# Altium PCB Graviton-RB1.PcbDoc (part 3 of 11)
Units mil, origin at the board's own origin, x right, y up, seen from the top; angles counter-clockwise.
Board outline 7874.02 x 7874.02 mil, 10 copper layers (Top Layer, Internal Plane 1, Signal Layer 1, Internal Plane 2, Signal Layer 2, Signal Layer 3, Internal Plane 3, Signal Layer 4, Internal Plane 4, Bottom Layer), stack 65.914 mil thick; 1299 components, 1517 nets, 7968 pads, 1791 vias.
Unrouted connection lines stored in the file: 4618.
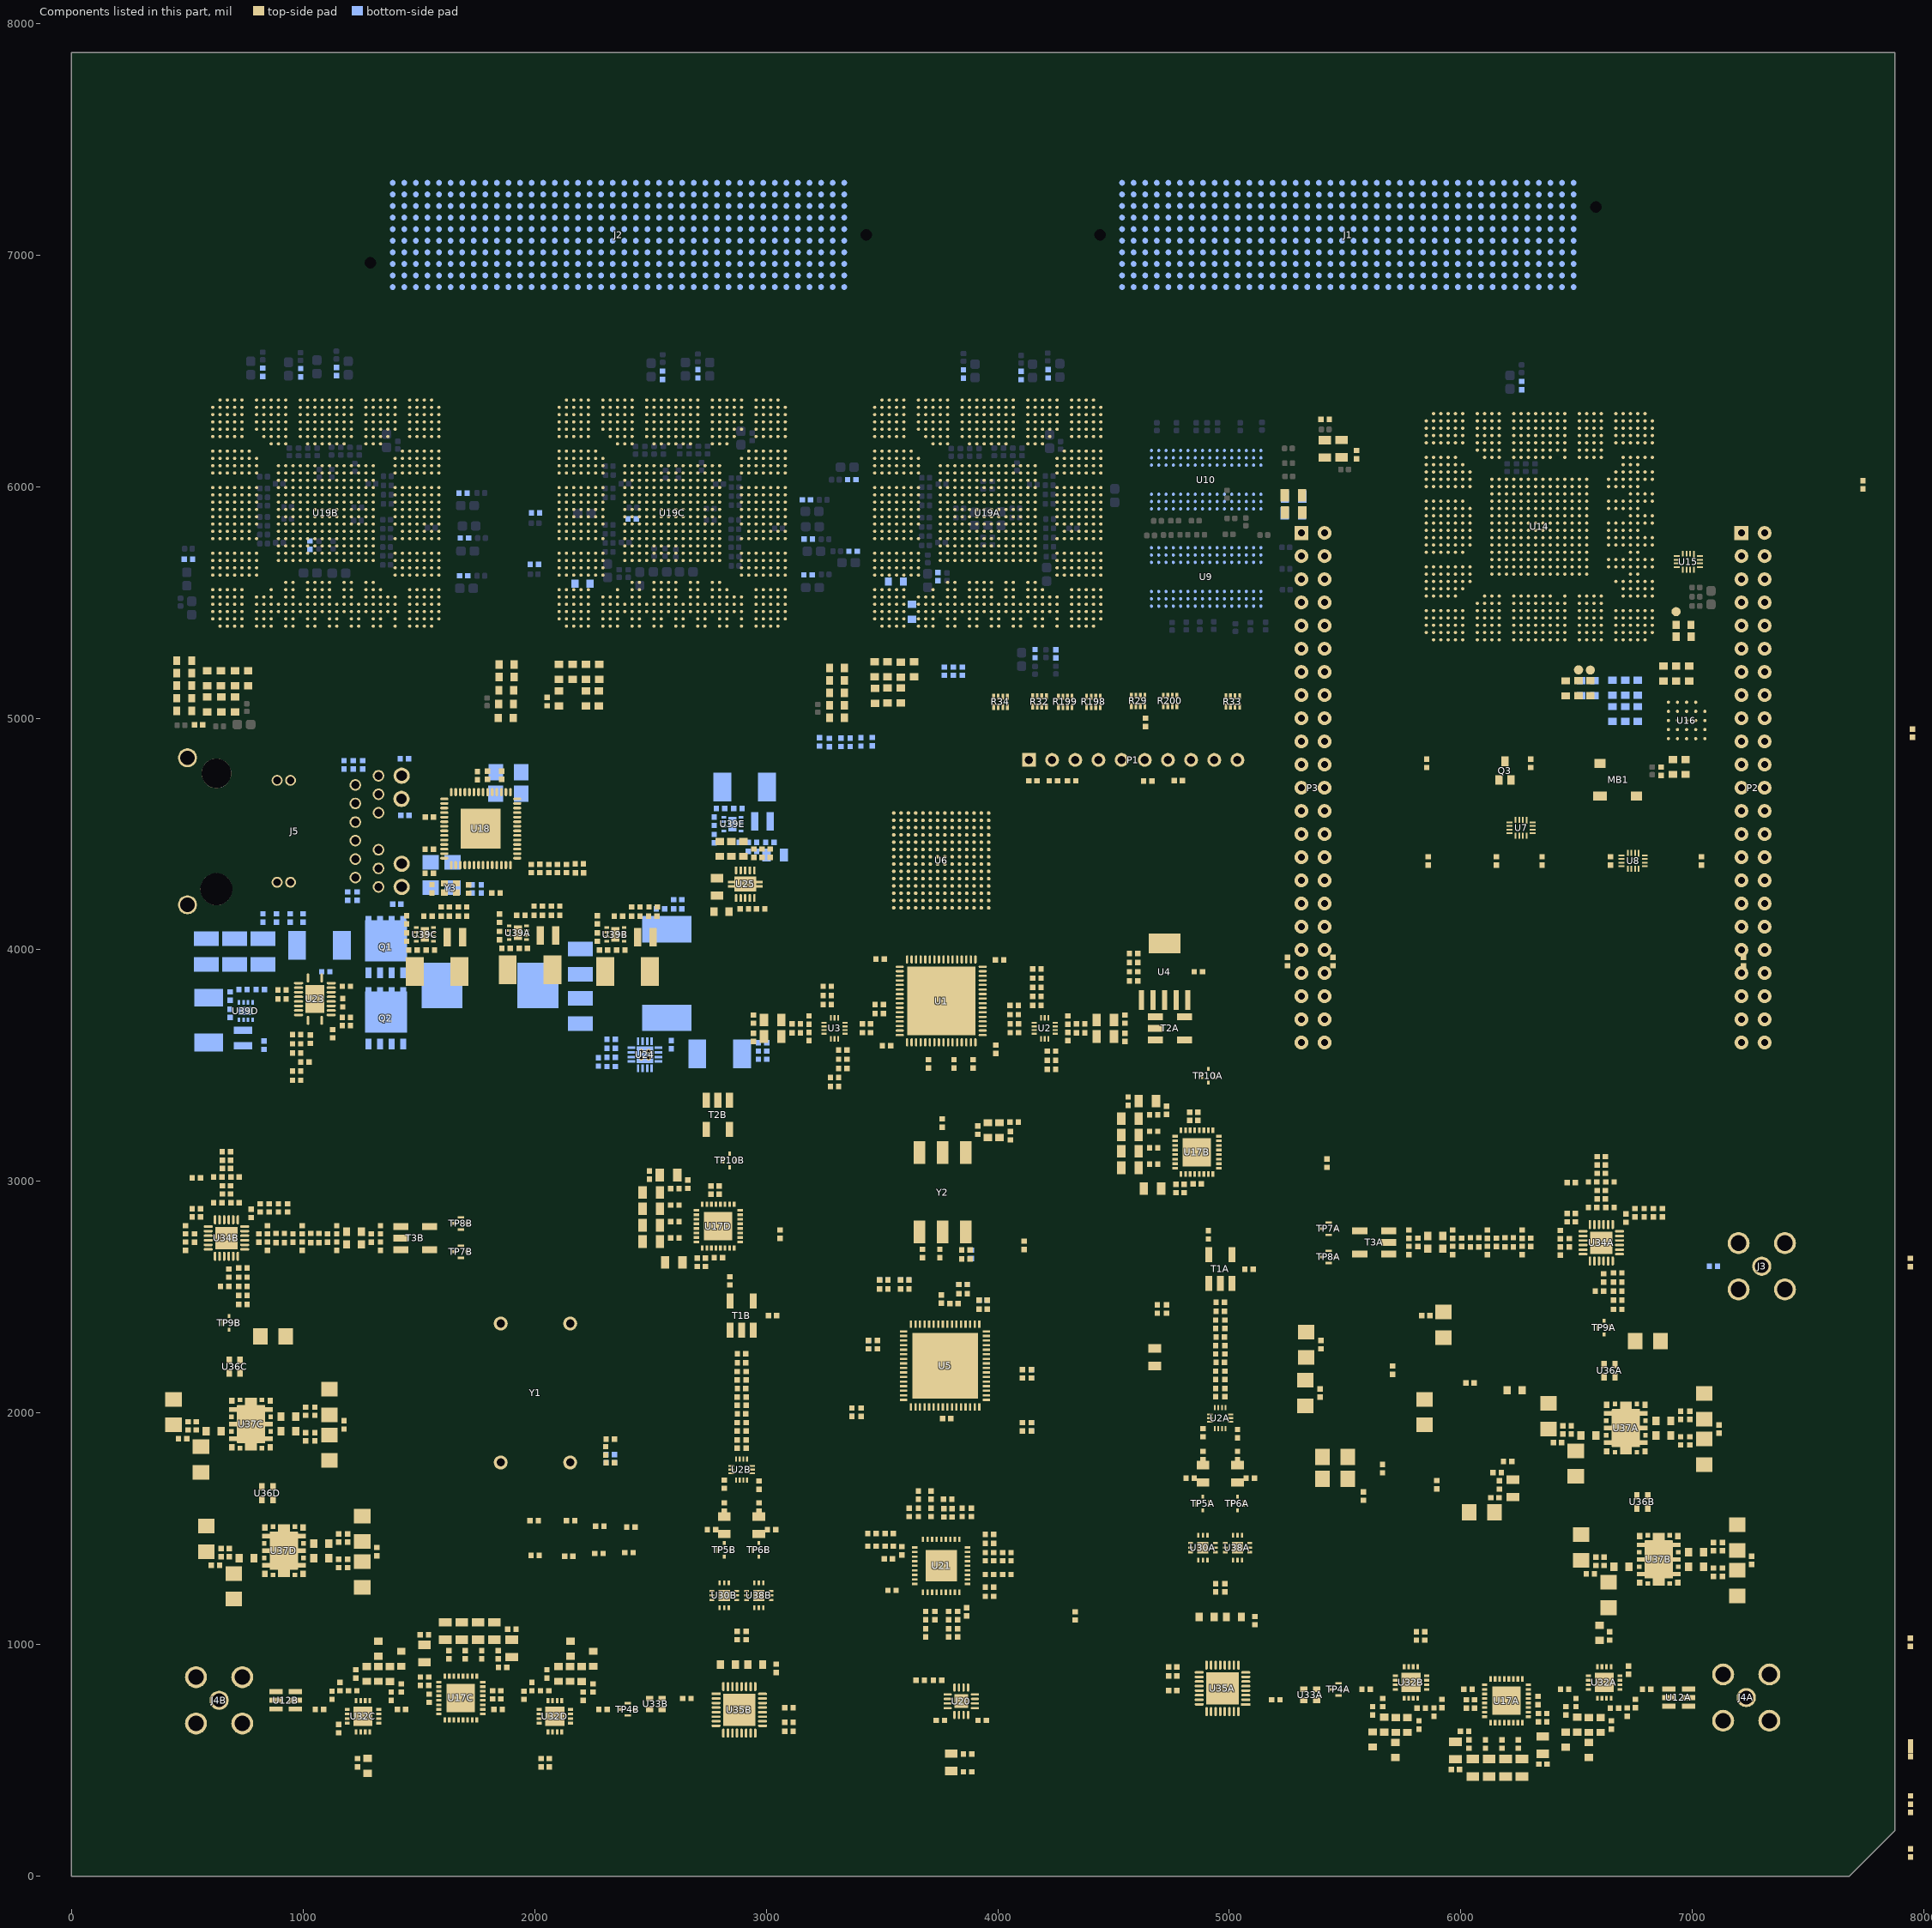
[diagram p11: the components of this part, seen from the top]

## Components (designator, comment, footprint, x,y, rotation, side; value= is the part's Value field where it differs from the comment) (continued)
C429B "CAP 0402" 0402 3043.31,897.64 r90 top (schematic designator C429)
C430A "CAP 0402" 0402 5200.79,762.2 r180 top (schematic designator C430)
C430B "CAP 0402" 0402 2657.48,767.72 r0 top (schematic designator C430)
C431A "CAP 0402" 0402 4960.63,2438.78 r180 top (schematic designator C431)
C431B "CAP 0402" 0402 2893.7,2216.54 r180 top (schematic designator C431)
C432A "CAP 0402" 0402 4960.63,2328.54 r180 top (schematic designator C432)
C432B "CAP 0402" 0402 2893.7,2106.3 r180 top (schematic designator C432)
C433A "CAP 0402" 0402 4960.63,2218.31 r180 top (schematic designator C433)
C433B "CAP 0402" 0402 2893.7,1996.06 r180 top (schematic designator C433)
C434A "CAP 0402" 0402 14562.99,4426.77 r0 top (schematic designator C434)
C434B "CAP 0402" 0402 11976.38,3787.4 r0 top (schematic designator C434)
C435A "CAP 0402" 0402 14185.04,3788.98 r0 top (schematic designator C435)
C435B "CAP 0402" 0402 2277.76,1393.7 r0 top (schematic designator C435)
C436A "CAP 0402" 0402 13807.09,4403.15 r0 top (schematic designator C436)
C436B "CAP 0402" 0402 2002.17,1385.83 r0 top (schematic designator C436)
C437A "CAP 0402" 0402 14456.69,4052.76 r0 top (schematic designator C437)
C437B "CAP 0402" 0402 2415.55,1507.87 r0 top (schematic designator C437)
C438A "CAP 0402" 0402 14602.36,3859.84 r0 top (schematic designator C438)
C438B "CAP 0402" 0402 12015.75,3220.47 r0 top (schematic designator C438)
C439A "CAP 0402" 0402 13704.72,4151.18 r0 top (schematic designator C439)
C439B "CAP 0402" 0402 1998.23,1535.43 r0 top (schematic designator C439)
C440A "CAP 0402" 0402 14188.98,3907.09 r0 top (schematic designator C440)
C440B "CAP 0402" 0402 2281.69,1511.81 r0 top (schematic designator C440)
C441A "CAP 0402" 0402 14787.4,3777.17 r0 top (schematic designator C441)
C441B "CAP 0402" 0402 2407.68,1397.64 r0 top (schematic designator C441)
C442A "CAP 0402" 0402 14854.33,3942.52 r0 top (schematic designator C442)
C442B "CAP 0402" 0402 12267.72,3303.15 r0 top (schematic designator C442)
C443A "CAP 0402" 1206 7051.18,2029.53 r270 top (schematic designator C443)
C443B "CAP 0402" 1206 7192.91,1462.6 r270 top (schematic designator C443)
C443C "CAP 0402" 1206 1114.17,2047.24 r270 top (schematic designator C443)
C443D "CAP 0402" 1206 1255.91,1500 r270 top (schematic designator C443)
C444A "CAP 0402" 1206 7051.18,1832.68 r90 top (schematic designator C444)
C444B "CAP 0402" 1206 7192.91,1265.75 r90 top (schematic designator C444)
C444C "CAP 0402" 1206 1114.17,1850.39 r90 top (schematic designator C444)
C444D "CAP 0402" 1206 1255.91,1303.15 r90 top (schematic designator C444)
C445A "100nF" 0402 6988.19,1879.92 r90 top (schematic designator C445)
C445B "100nF" 0402 7129.92,1312.99 r90 top (schematic designator C445)
C445C "100nF" 0402 1051.18,1897.64 r90 top (schematic designator C445)
C445D "100nF" 0402 1192.91,1350.39 r90 top (schematic designator C445)
C446A "CAP 0402" 0402 6948.82,1879.92 r90 top (schematic designator C446)
C446B "CAP 0402" 0402 7090.55,1312.99 r90 top (schematic designator C446)
C446C "CAP 0402" 0402 1011.81,1897.64 r90 top (schematic designator C446)
C446D "CAP 0402" 0402 1153.54,1350.39 r90 top (schematic designator C446)
C447A "CAP 0402" 0402 6476.38,1927.17 r270 top (schematic designator C447)
C447B "CAP 0402" 0402 6618.11,1360.24 r270 top (schematic designator C447)
C447C "CAP 0402" 0402 539.37,1944.88 r270 top (schematic designator C447)
C447D "CAP 0402" 0402 681.1,1397.64 r270 top (schematic designator C447)
C448A "100nF" 0402 6440.94,1927.17 r270 top (schematic designator C448)
C448B "100nF" 0402 6582.68,1360.24 r270 top (schematic designator C448)
C448C "100nF" 0402 503.94,1944.88 r270 top (schematic designator C448)
C448D "100nF" 0402 645.67,1397.64 r270 top (schematic designator C448)
C449A "CAP 0402" 1206 6496.06,1781.5 r90 top (schematic designator C449)
C449B "CAP 0402" 1206 6637.8,1214.57 r90 top (schematic designator C449)
C449C "CAP 0402" 1206 559.06,1799.21 r90 top (schematic designator C449)
C449D "CAP 0402" 1206 700.79,1251.97 r90 top (schematic designator C449)
C450A "CAP 0402" 1206 6377.95,1986.22 r270 top (schematic designator C450)
C450B "CAP 0402" 1206 6519.68,1419.29 r270 top (schematic designator C450)
C450C "CAP 0402" 1206 440.94,2003.94 r270 top (schematic designator C450)
C450D "CAP 0402" 1206 582.68,1456.69 r270 top (schematic designator C450)
C451A "CAP 0402" 0402 6948.82,1990.16 r270 top (schematic designator C451)
C451B "CAP 0402" 0402 7090.55,1423.23 r270 top (schematic designator C451)
C451C "CAP 0402" 0402 1011.81,2007.87 r270 top (schematic designator C451)
C451D "CAP 0402" 0402 1153.54,1460.63 r270 top (schematic designator C451)
C452A "100nF" 0402 6988.19,1990.16 r270 top (schematic designator C452)
C452B "100nF" 0402 7129.92,1423.23 r270 top (schematic designator C452)
C452C "100nF" 0402 1051.18,2007.87 r270 top (schematic designator C452)
C452D "100nF" 0402 1192.91,1460.63 r270 top (schematic designator C452)
F1 "1.25A" 451_453 1070.87,4019.68 r0 bottom
F3 "1.25A" 451_453 2799.21,3551.18 r180 bottom
F8A "1.25A" 451_453 1980.31,3913.39 r180 top (schematic designator F8)
F8B "1.25A" 451_453 2401.57,3906.5 r180 top (schematic designator F8)
F8C "1.25A" 451_453 1578.74,3906.5 r180 top (schematic designator F8)
F8D "1.25A" 451_453 592.52,3696.85 r270 bottom (schematic designator F8)
F8E "1.25A" 451_453 2906.93,4703.39 r180 bottom (schematic designator F8)
FB1 "600R/100MHz" 0805 9622.83,4935.34 r0 top
FB4A "600R/100MHz" 0805 6353.35,565.94 r270 top (schematic designator FB4)
FB4B "600R/100MHz" 0805 4668.31,2969.49 r180 top (schematic designator FB4)
FB4C "600R/100MHz" 0805 1524.61,961.61 r90 top (schematic designator FB4)
FB4D "600R/100MHz" 0805 2600.98,2650.59 r180 top (schematic designator FB4)
FB5A "600R/100MHz" 0805 5976.38,543.31 r270 top (schematic designator FB5)
FB5B "600R/100MHz" 0805 4645.67,3346.46 r180 top (schematic designator FB5)
FB5C "600R/100MHz" 0805 1901.57,984.25 r90 top (schematic designator FB5)
FB5D "600R/100MHz" 0805 2578.35,3027.56 r180 top (schematic designator FB5)
FB6A "600R/100MHz" 0805 6051.18,468.5 r270 top (schematic designator FB6)
FB6B "600R/100MHz" 0805 4570.87,3271.65 r180 top (schematic designator FB6)
FB6C "600R/100MHz" 0805 1826.77,1059.05 r90 top (schematic designator FB6)
FB6D "600R/100MHz" 0805 2503.54,2952.76 r180 top (schematic designator FB6)
FB7A "600R/100MHz" 0805 6122.05,468.5 r270 top (schematic designator FB7)
FB7B "600R/100MHz" 0805 4570.87,3200.79 r180 top (schematic designator FB7)
FB7C "600R/100MHz" 0805 1755.91,1059.05 r90 top (schematic designator FB7)
FB7D "600R/100MHz" 0805 2503.54,2881.89 r180 top (schematic designator FB7)
FB8A "600R/100MHz" 0805 6192.91,468.5 r270 top (schematic designator FB8)
FB8B "600R/100MHz" 0805 4570.87,3129.92 r180 top (schematic designator FB8)
FB8C "600R/100MHz" 0805 1685.04,1059.05 r90 top (schematic designator FB8)
FB8D "600R/100MHz" 0805 2503.54,2811.02 r180 top (schematic designator FB8)
FB9A "600R/100MHz" 0805 6263.78,468.5 r270 top (schematic designator FB9)
FB9B "600R/100MHz" 0805 4570.87,3059.06 r180 top (schematic designator FB9)
FB9C "600R/100MHz" 0805 1614.17,1059.05 r90 top (schematic designator FB9)
FB9D "600R/100MHz" 0805 2503.54,2740.16 r180 top (schematic designator FB9)
FB10 "600R/100MHz" 0805 3799.02,492.32 r270 top
FB11A "600R/100MHz" 0805 4678.15,2241.14 r90 top (schematic designator FB11)
FB11B "600R/100MHz" 0805 1850.39,-1181.1 r90 top (schematic designator FB11)
FB12A "600R/100MHz" 0805 1047.24,-507.87 r180 top (schematic designator FB12)
FB12B "600R/100MHz" 0805 52.17,-978.35 r180 top (schematic designator FB12)
FB12C "600R/100MHz" 0805 10396.65,3864.17 r0 top (schematic designator FB12)
FB12D "600R/100MHz" 0805 11225.39,3864.17 r0 top (schematic designator FB12)
J1 "SEAF-40-06.5-S-10-2-A-K-TR" SEAF-40-06.5-S-10-2-A-K-TR 5511.81,7086.61 r0 bottom locked
J2 "SEAF-40-06.5-S-10-2-A-K-TR" SEAF-40-06.5-S-10-2-A-K-TR 2362.2,7086.61 r180 bottom locked
J3 "COAX-F" 132136 7299.21,2633.86 r180 top
J4A "COAX-F" 132136 7232.28,771.65 r180 top (schematic designator J4)
J4B "COAX-F" 132136 637.8,759.84 r0 top (schematic designator J4)
J5 "0826-1X1T-GH-F" 0826 625.98,4511.81 r90 top
L1 "IND 0402" 0402 8397.64,6307.28 r90 top
L2 "IND 0402" 0402 4169.29,3877.95 r0 top
L3 "IND 0402" 0402 4586.61,3944.88 r0 top
L4 "IND 0402" 0402 3885.83,2685.04 r270 bottom
L5 "IND 0402" 0402 2307.09,1836.81 r270 top
L6 "IND 0402" 0402 3598.43,2574.8 r180 bottom
L7 "IND 0402" 0402 3370.08,2003.94 r270 bottom
L8 "IND 0402" 0402 4145.67,1940.94 r90 bottom
L9 "IND 0402" 0402 4145.67,2169.29 r270 bottom
L10 "IND 0402" 0402 3440.94,2295.28 r270 bottom
L11 "IND 0402" 0402 3937.01,2488.19 r180 bottom
L12 "IND 0402" 0402 6166.34,1689.57 r90 top
L13 "IND 0402" 0402 -911.12,3763 r0 top
L14 "IND 0402" 0402 -989.86,3999.22 r0 top
L15 "IND 0402" 0402 -1045.08,4015.75 r0 top
L16 "IND 0402" 0402 -1107.97,4471.66 r0 top
L17 "IND 0402" 0402 6262,6436 r90 bottom
L18 "IND 0402" 0402 8390.54,3457.19 r90 top
L19 "IND 0402" 0402 2193,4371 r180 top
L20A "IND 0402" 0402 3852,6486 r90 bottom (schematic designator L20)
L20B "IND 0402" 0402 990,6492 r90 bottom (schematic designator L20)
L20C "IND 0402" 0402 2553,6481 r90 bottom (schematic designator L20)
L21A "IND 0402" 0402 4101,6480 r90 bottom (schematic designator L21)
L21B "IND 0402" 0402 1144,6497 r90 bottom (schematic designator L21)
L21C "IND 0402" 0402 2705,6487 r90 bottom (schematic designator L21)
L22A "IND 0402" 0402 4217,6487 r90 bottom (schematic designator L22)
L22B "IND 0402" 0402 1691,5972 r0 bottom (schematic designator L22)
L22C "IND 0402" 0402 3174,5943 r0 bottom (schematic designator L22)
L23A "IND 0402" 0402 4161,5279 r270 bottom (schematic designator L23)
L23B "IND 0402" 0402 1697,5778 r0 bottom (schematic designator L23)
L23C "IND 0402" 0402 3182,5773 r0 bottom (schematic designator L23)
L24A "IND 0402" 0402 4251,5278 r270 bottom (schematic designator L24)
L24B "IND 0402" 0402 1694,5615 r0 bottom (schematic designator L24)
L24C "IND 0402" 0402 3180.71,5618.83 r0 bottom (schematic designator L24)
L25A "IND 0402" 0402 3375,5721 r180 bottom (schematic designator L25)
L25B "IND 0402" 0402 505,5686 r0 bottom (schematic designator L25)
L25C "IND 0402" 0402 1999,5664 r180 bottom (schematic designator L25)
L26A "IND 0402" 0402 3370,6030 r180 bottom (schematic designator L26)
L26B "IND 0402" 0402 826,6494 r90 bottom (schematic designator L26)
L26C "IND 0402" 0402 2004,5887 r180 bottom (schematic designator L26)
L27A "IND 0402" 0402 3741,5611.46 r270 bottom (schematic designator L27)
L27B "IND 0402" 0402 549,4971 r180 top (schematic designator L27)
L27C "IND 0402" 0402 2054,5072 r90 top (schematic designator L27)
L28A "IND 0402" 0402 3808.41,5202.98 r90 bottom (schematic designator L28)
L28B "IND 0402" 0402 3458,4899 r90 bottom (schematic designator L28)
L28C "IND 0402" 0402 3272.89,4894.89 r90 bottom (schematic designator L28)
L29 "IND 0402" 0402 3456.69,1480.32 r180 top
L30 "IND 0402" 0402 3456.69,1425.2 r180 top
L31 "IND 0402" 0402 3657.48,1645.67 r90 top
L32 "IND 0402" 0402 3964.57,1476.38 r0 top
L33 "IND 0402" 0402 4039.37,1303.15 r0 top
L34 "IND 0402" 0402 3885.83,1570.87 r90 top
L35 "IND 0402" 0402 3964.57,1208.66 r0 top
L36 "IND 0402" 0402 3712.6,1645.67 r90 top
L37 "IND 0402" 0402 3787.4,1051.18 r270 top
L38 "IND 0402" 0402 3850.39,2555.12 r0 bottom
L39 "" IND-1350 1807.09,3846.46 r0 bottom
L40 "Inductor" SRR1260 2570.87,3897.64 r90 bottom
L41 "IND 0402" 0402 3507.87,2574.8 r180 bottom
L45 "IND 0402" 0402 6865.23,4770.86 r270 top
L46A "IND 68NH 0402" 0402 6752.95,746.06 r90 top (schematic designator L46)
L46B "IND 68NH 0402" 0402 5918.31,746.06 r90 top (schematic designator L46)
L46C "IND 68NH 0402" 0402 1125,781.5 r270 top (schematic designator L46)
L46D "IND 68NH 0402" 0402 1953.74,781.5 r270 top (schematic designator L46)
L47A "IND 68NH 0402" 0402 6497.05,750 r90 top (schematic designator L47)
L47B "IND 68NH 0402" 0402 5662.4,750 r90 top (schematic designator L47)
L47C "IND 68NH 0402" 0402 1380.91,777.56 r270 top (schematic designator L47)
L47D "IND 68NH 0402" 0402 2209.65,777.56 r270 top (schematic designator L47)
L48A "IND 0402" 0402 6677.17,2487.2 r180 top (schematic designator L48)
L48B "IND 0402" 0402 740.16,2507.87 r180 top (schematic designator L48)
L49A "IND 0603" 0603 5889.76,2764.76 r0 top (schematic designator L49)
L49B "IND 0603" 0603 1220.47,2728.35 r180 top (schematic designator L49)
L50A "IND 0603" 0603 5889.76,2709.65 r0 top (schematic designator L50)
L50B "IND 0603" 0603 1220.47,2783.46 r180 top (schematic designator L50)
L51A "IND 0402" 0402 6830.71,2865.16 r270 top (schematic designator L51)
L51B "IND 0402" 0402 893.7,2885.83 r270 top (schematic designator L51)
L52A "IND 0603" 0603 4901.57,1119.69 r180 top (schematic designator L52)
L52B "IND 0603" 0603 2834.65,913.39 r180 top (schematic designator L52)
L53A "IND 0603" 0603 5019.69,1119.69 r0 top (schematic designator L53)
L53B "IND 0603" 0603 2952.76,913.39 r0 top (schematic designator L53)
L54A "IND 0402" 0402 4940.94,2383.66 r270 top (schematic designator L54)
L54B "IND 0402" 0402 2874.02,2161.42 r270 top (schematic designator L54)
L55A "IND 0402" 0402 4940.94,2273.43 r270 top (schematic designator L55)
L55B "IND 0402" 0402 2874.02,2051.18 r270 top (schematic designator L55)
L56A "IND 0402" 0402 4980.31,2383.66 r270 top (schematic designator L56)
L56B "IND 0402" 0402 2913.39,2161.42 r270 top (schematic designator L56)
L57A "IND 0402" 0402 4980.31,2273.43 r270 top (schematic designator L57)
L57B "IND 0402" 0402 2913.39,2051.18 r270 top (schematic designator L57)
L58A "IND 0402" 0402 13838.58,3836.22 r0 top (schematic designator L58)
L58B "IND 0402" 0402 2147.83,1381.89 r0 top (schematic designator L58)
L59A "IND 0402" 0402 13893.7,4068.5 r0 top (schematic designator L59)
L59B "IND 0402" 0402 2155.71,1535.43 r0 top (schematic designator L59)
L60A "IND 0402" 0402 7114.17,1931.1 r90 top (schematic designator L60)
L60B "IND 0402" 0402 7255.91,1364.17 r90 top (schematic designator L60)
L60C "IND 0402" 0402 1177.17,1948.82 r90 top (schematic designator L60)
L60D "IND 0402" 0402 1318.9,1401.57 r90 top (schematic designator L60)
L61A "IND 0402" 0402 6417.32,1872.05 r0 top (schematic designator L61)
L61B "IND 0402" 0402 6559.06,1305.12 r0 top (schematic designator L61)
L61C "IND 0402" 0402 480.31,1889.76 r0 top (schematic designator L61)
L61D "IND 0402" 0402 622.05,1342.52 r0 top (schematic designator L61)
L62 "IND 0402" 0402 3295.28,3448.82 r0 top
L63A "ASPI-0310FS-1R0N-T2" ASPI-0310FS 2057.64,4061.65 r0 top (schematic designator L63)
L63B "ASPI-0310FS-1R0N-T2" ASPI-0310FS 2478.9,4054.76 r0 top (schematic designator L63)
L63C "ASPI-0310FS-1R0N-T2" ASPI-0310FS 1656.06,4054.76 r0 top (schematic designator L63)
L63D "ASPI-0310FS-1R0N-T2" ASPI-0310FS 740.79,3619.53 r90 bottom (schematic designator L63)
L63E "ASPI-0310FS-1R0N-T2" ASPI-0310FS 2984.25,4555.12 r0 bottom (schematic designator L63)
MB1 "CSS-0578" CSS-0578 6679.1,4734.35 r0 top
P1 "Header 10" HDR1X10 4135,4820 r0 top
P2 "FEMALE HEADER 2x23" HEADER23X2 7261.22,4699.8 r270 top locked
P3 "FEMALE HEADER 2x23" HEADER23X2 5361.22,4699.8 r270 top
Q1 "MOSFET" TDSON-8 1358.27,4011.81 r180 bottom
Q2 "MOSFET" TDSON-8 1358.27,3704.72 r180 bottom
Q3 "2N3904" SOT323 6190.92,4773.72 r0 top
R1 "RES 0402" 0402 4303.15,3625.98 r90 top
R2 "RES 0402" 0402 4071.85,3680.12 r0 top
R3 "RES 0402" 0402 4358.27,3641.73 r0 top
R4 "RES 0402" 0402 4071.85,3642.72 r0 top
R5 "RES 0402" 0402 4358.27,3681.1 r0 top
R6 "RES 0402" 0402 4303.15,3696.85 r90 top
R7 "RES 0402" 0402 3185.04,3696.85 r270 top
R8 "RES 0402" 0402 3433.07,3680.12 r180 top
R9 "RES 0402" 0402 3129.92,3681.1 r180 top
R10 "RES 0402" 0402 3433.07,3642.72 r180 top
R11 "RES 0402" 0402 3129.92,3641.73 r180 top
R12 "RES 0402" 0402 3185.04,3625.98 r270 top
R13 "RES 0603" 0603 3956.69,3221.26 r270 top
R14 "RES 0603" 0603 4007.87,3221.26 r90 top
R15 "RES 0402" 0402 -1107.97,4274.81 r0 top
R16 "RES 0402" 0402 -1107.97,4077.96 r0 top
R17 "RES 0402" 0402 -1107.97,3881.11 r0 top
R18 "RES 0402" 0402 -1084.45,4153.54 r0 top
R19 "RES 0402" 0402 -1107.97,3782.68 r0 top
R20 "RES 0402" 0402 -1147.34,4215.76 r0 top
R21 "RES 0402" 0402 -1147.34,3920.48 r0 top
R22 "RES 0402" 0402 -1147.34,3723.63 r0 top
R23 "RES 0402" 0402 4152,4730 r180 top
R24 "RES 0402" 0402 4780,4731 r180 top
R25 "RES 0402" 0402 5251.19,3949.7 r270 top
R26 "RES 0402" 0402 5448.04,3949.7 r270 top
R27 "RES 0402" 0402 7039.37,4384.06 r270 top
R28 "RES 0402" 0402 7219.69,3949.7 r270 top
R29 "RESPAK x4 0804" 0804-PAK-8 4606.3,5074.8 r270 top
R30 "RES 0402" 0402 4240,4730 r180 top
R31 "1.5K, 1%" 0402 8402.33,537.69 r90 top
R32 "RESPAK x4 0804" 0804-PAK-8 4180.35,5072.32 r270 top
R33 "RESPAK x4 0804" 0804-PAK-8 5015,5072.32 r270 top
R34 "RESPAK x4 0804" 0804-PAK-8 4011.81,5070.87 r270 top
R35 "240, 1%" 0402 8173.99,537.69 r90 top
R36 "RES 0805" 0805 5412,6163 r270 top
R37 "RES 0805" 0805 5485.14,6164.23 r90 top
R38 "240, 1%" 0402 7941.7,537.69 r90 top
R39 "RES 0402" 0402 7949.6,4935.34 r90 top
R40 "RES 0603 4.7k 1%" 0603 6508,5130 r270 top
R41 "RES 0603 4.7k 1%" 0603 6559,5130 r270 top
R42 "RES 0603 4.7k 1%" 0603 6453,5129 r270 top
R43 "RES 0603 49.9 1%" 0603 6961,5403 r0 top
R44 "RES 0603 4.7k 1%" 0603 6519,5130 r270 bottom
R45 "RES 0603 4.7k 1%" 0603 6576,5130 r270 bottom
R46 "RES 0603 4.7k 1%" 0603 6962,5352 r0 top
R47 "RES 0603 4.7k 1%" 0603 6763,5132 r90 bottom
R48 "RES 0603 4.7k 1%" 0603 6655,5132 r90 bottom
R49 "RES 0603 0" 0603 6710,5132 r90 bottom
R50 "RES 0603 4.7k 1%" 0603 6710,5018 r90 bottom
R51 "RES 0603 0" 0603 6763,5018 r90 bottom
R52 "RES 0603 0" 0603 6655,5018 r90 bottom
R53 "RES 0603 1k 1%" 0603 6985.23,5192.86 r90 top
R54 "RES 0603 4.7k 1%" 0603 6929.23,5192.86 r90 top
R55 "RES 0603 4.7k 1%" 0603 6875.23,5192.86 r90 top
R56 "RES 0603 4.7k 1%" 0603 6970.23,4789.86 r270 top
R57 "RES 0603 4.7k 1%" 0603 6915.23,4789.86 r270 top
R58A "RES 0402" 0402 6333.66,758.86 r270 top (schematic designator R58)
R58B "RES 0402" 0402 4861.22,2989.17 r180 top (schematic designator R58)
R58C "RES 0402" 0402 1544.29,768.7 r90 top (schematic designator R58)
R58D "RES 0402" 0402 2793.9,2670.28 r180 top (schematic designator R58)
R59A "RES 0402" 0402 6015.75,625.98 r0 top (schematic designator R59)
R59B "RES 0402" 0402 4728.35,3307.09 r270 top (schematic designator R59)
R59C "RES 0402" 0402 1862.2,901.57 r180 top (schematic designator R59)
R59D "RES 0402" 0402 2661.02,2988.19 r270 top (schematic designator R59)
R60 "RES 0402" 0402 1731,4263 r90 bottom
R61 "RES 0402" 0402 1770,4263 r90 bottom
R62 "RES 0402" 0402 1545,4331 r0 top
R63 "RES 0402" 0402 1405,4197 r180 bottom
R64 "RES 0402" 0402 1440,4581 r0 bottom
R65 "RES 0402" 0402 1438,4825 r0 bottom
R66 "RES 0402" 0402 1753,4752 r90 top
R67A "RES 0603 4.7k 1%" 0603 3306,5217 r180 top (schematic designator R67)
R67B "RES 0603 4.7k 1%" 0603 487,5249 r180 top (schematic designator R67)